# Altium PCB WX0.000.863拼板.PcbDoc (part 10 of 15)
Units mm, origin at the board's own origin, x right, y up, seen from the top; angles counter-clockwise.
Board outline 150.37 x 286.89 mm, 2 copper layers (Top Layer, Bottom Layer); 840 components, 0 nets, 2516 pads, 1604 vias.
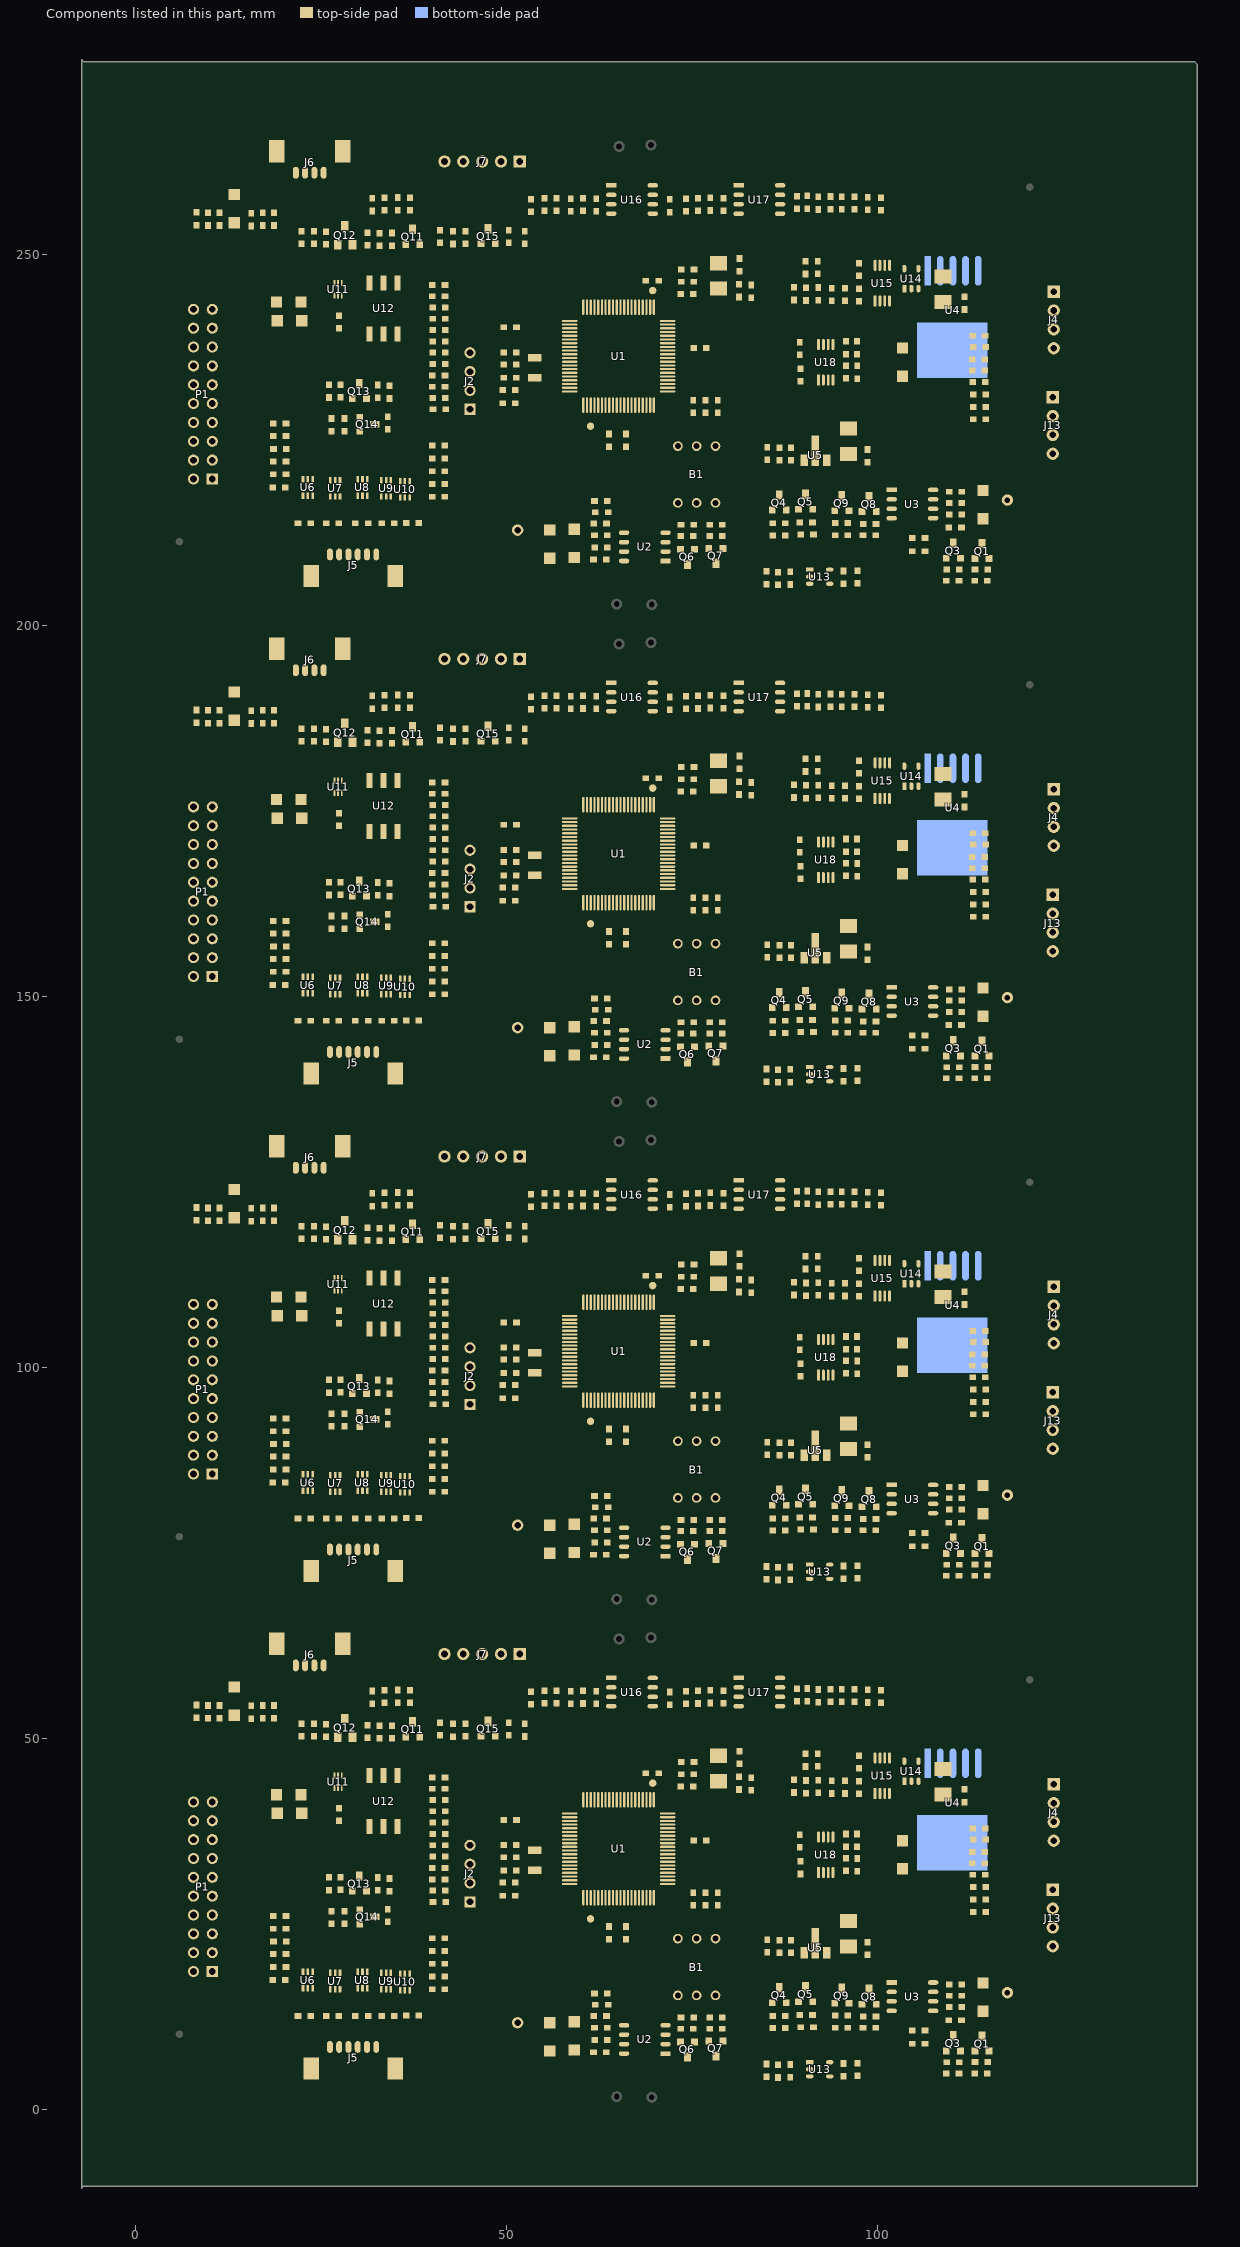
[diagram p10: the components of this part, seen from the top]

## Via types
v1: diameter 0.635, hole 0.381, Top Layer to Bottom Layer, tented both sides, 1604 vias

## Nets (pads, with @x,y where several pads share a name; then routed paths per layer and width w, separated by ;. In a path a pad name is that pad's centre, name@x,y a point inside that pad or via, vN(x,y) a via of type N, cw(c..) or ccw(c..) an arc to the next point about the centre after c; other vN are vias at no path point) (continued)
copper on no net: (continued)
  Top Layer w0.254: 112.928,164.059 108.991,164.059 108.534,164.516 108.534,170.311 108.524,170.321 108.524,172.872 108.077,173.319 89.052,173.319 84.068,173.319 83.76,173.627 76.043,173.627 75.133,174.536 72.784,174.536 71.505,175.815 70.789,175.815 ; 112.928,231.115 108.991,231.115 108.534,231.572 108.534,237.367 108.524,237.377 108.524,239.928 108.077,240.375 89.052,240.375 84.068,240.375 83.76,240.683 76.043,240.683 75.133,241.592 72.784,241.592 71.505,242.871 70.789,242.871 ; 113.106,4.826 113.106,7.773 113.157,7.823 ; 113.106,6.904 cw(c114.075,6.904) 113.39,7.59 ; 113.106,71.882 113.106,74.829 113.157,74.879 ; 113.106,73.96 cw(c114.075,73.96) 113.39,74.646 ; 113.106,138.938 113.106,141.885 113.157,141.935 ; 113.106,141.016 cw(c114.075,141.016) 113.39,141.702 ; 113.106,205.994 113.106,208.941 113.157,208.991 ; 113.106,208.072 cw(c114.075,208.072) 113.39,208.758 ; 114.266,4.284 ccw(c113.724,4.826) 114.49,4.826 ; 114.266,71.34 ccw(c113.724,71.882) 114.49,71.882 ; 114.266,138.396 ccw(c113.724,138.938) 114.49,138.938 ; 114.266,205.452 ccw(c113.724,205.994) 114.49,205.994 ; 114.389,4.407 cw(c114.757,4.038) 114.757,4.559 ; 114.389,71.463 cw(c114.757,71.094) 114.757,71.615 ; 114.389,138.519 cw(c114.757,138.15) 114.757,138.671 ; 114.389,205.575 cw(c114.757,205.206) 114.757,205.727 ; 114.404,31.409 cw(c113.581,30.586) 114.745,30.586 ; 114.404,98.465 cw(c113.581,97.642) 114.745,97.642 ; 114.404,165.521 cw(c113.581,164.698) 114.745,164.698 ; 114.404,232.577 cw(c113.581,231.754) 114.745,231.754 ; 114.478,33.147 114.96,33.147 ; 114.478,100.203 114.96,100.203 ; 114.478,167.259 114.96,167.259 ; 114.478,234.315 114.96,234.315 ; 114.492,30.135 ccw(c113.883,30.744) 114.745,30.744 ; 114.492,97.191 ccw(c113.883,97.8) 114.745,97.8 ; 114.492,164.247 ccw(c113.883,164.856) 114.745,164.856 ; 114.492,231.303 ccw(c113.883,231.912) 114.745,231.912 ; 114.529,33.16 ccw(c114.529,34.233) 115.287,33.474 ; 114.529,33.414 ccw(c114.529,35.1) 115.721,33.908 ; 114.529,100.216 ccw(c114.529,101.289) 115.287,100.53 ; 114.529,100.47 ccw(c114.529,102.156) 115.721,100.964 ; 114.529,167.272 ccw(c114.529,168.345) 115.287,167.586 ; 114.529,167.526 ccw(c114.529,169.212) 115.721,168.02 ; 114.529,234.328 ccw(c114.529,235.401) 115.287,234.642 ; 114.529,234.582 ccw(c114.529,236.268) 115.721,235.076 ; 114.583,31.589 cw(c114.194,31.199) 114.745,31.199 ; 114.583,98.645 cw(c114.194,98.255) 114.745,98.255 ; 114.583,165.701 cw(c114.194,165.311) 114.745,165.311 ; 114.583,232.757 cw(c114.194,232.367) 114.745,232.367 ; 114.745,30.162 114.745,31.813 ; 114.745,30.437 ccw(c115.171,30.437) 114.87,30.135 ; 114.745,97.218 114.745,98.869 ; 114.745,97.493 ccw(c115.171,97.493) 114.87,97.191 ; 114.745,164.274 114.745,165.925 ; 114.745,164.549 ccw(c115.171,164.549) 114.87,164.247 ; 114.745,231.33 114.745,232.981 ; 114.745,231.605 ccw(c115.171,231.605) 114.87,231.303 ; 114.767,33.028 cw(c114.96,32.931) 114.96,33.147 ; 114.767,33.266 ccw(c114.96,33.363) 114.96,33.147 ; 114.767,100.084 cw(c114.96,99.987) 114.96,100.203 ; 114.767,100.322 ccw(c114.96,100.419) 114.96,100.203 ; 114.767,167.14 cw(c114.96,167.043) 114.96,167.259 ; 114.767,167.378 ccw(c114.96,167.475) 114.96,167.259 ; 114.767,234.196 cw(c114.96,234.099) 114.96,234.315 ; 114.767,234.434 ccw(c114.96,234.531) 114.96,234.315 ; v1@118.237,5.194 ccw(c118.237,5.838) 118.692,5.383 ; v1@118.237,5.448 ccw(c118.237,6.705) 119.126,5.816 ; v1@118.237,72.25 ccw(c118.237,72.894) 118.692,72.439 ; v1@118.237,72.504 ccw(c118.237,73.761) 119.126,72.872 ; v1@118.237,139.306 ccw(c118.237,139.95) 118.692,139.495 ; v1@118.237,139.56 ccw(c118.237,140.817) 119.126,139.928 ; v1@118.237,206.362 ccw(c118.237,207.006) 118.692,206.551 ; v1@118.237,206.616 ccw(c118.237,207.873) 119.126,206.984 ; 123.266,38.202 123.774,38.71 122.453,37.389 122.453,35.744 120.954,34.244 116.058,34.244 114.96,33.147 ; 123.266,105.258 123.774,105.766 122.453,104.445 122.453,102.8 120.954,101.3 116.058,101.3 114.96,100.203 ; 123.266,172.314 123.774,172.822 122.453,171.501 122.453,169.856 120.954,168.356 116.058,168.356 114.96,167.259 ; 123.266,239.37 123.774,239.878 122.453,238.557 122.453,236.912 120.954,235.412 116.058,235.412 114.96,234.315 ; 20.752,17.399 21.102,17.049 23.876,17.049 ; 20.752,84.455 21.102,84.105 23.876,84.105 ; 20.752,151.511 21.102,151.161 23.876,151.161 ; 20.752,218.567 21.102,218.217 23.876,218.217 ; 23.876,17.049 27.584,17.049 ; 23.876,84.105 27.584,84.105 ; 23.876,151.161 27.584,151.161 ; 23.876,218.217 27.584,218.217 ; 27.584,17.049 31.267,17.049 ; 27.584,84.105 31.267,84.105 ; 27.584,151.161 31.267,151.161 ; 27.584,218.217 31.267,218.217 ; 31.267,17.049 31.699,17.049 ; 31.267,84.105 31.699,84.105 ; 31.267,151.161 31.699,151.161 ; 31.267,218.217 31.699,218.217 ; 31.699,17.049 34.392,17.049 ; 31.699,84.105 34.392,84.105 ; 31.699,151.161 34.392,151.161 ; 31.699,218.217 34.392,218.217 ; 55.423,24.826 59.03,24.826 59.868,25.664 59.868,29.667 60.249,30.048 60.503,30.048 61.14,30.686 61.14,34.417 61.521,34.798 65.354,34.798 ; 55.423,91.882 59.03,91.882 59.868,92.72 59.868,96.723 60.249,97.104 60.503,97.104 61.14,97.742 61.14,101.473 61.521,101.854 65.354,101.854 ; 55.423,158.938 59.03,158.938 59.868,159.776 59.868,163.779 60.249,164.16 60.503,164.16 61.14,164.798 61.14,168.529 61.521,168.91 65.354,168.91 ; 55.423,225.994 59.03,225.994 59.868,226.832 59.868,230.835 60.249,231.216 60.503,231.216 61.14,231.854 61.14,235.585 61.521,235.966 65.354,235.966 ; 64.059,15.596 65.131,14.524 65.694,14.524 66.528,14.524 69.748,11.303 71.45,11.303 ; 64.059,82.652 65.131,81.58 65.694,81.58 66.528,81.58 69.748,78.359 71.45,78.359 ; 64.059,149.708 65.131,148.636 65.694,148.636 66.528,148.636 69.748,145.415 71.45,145.415 ; 64.059,216.764 65.131,215.692 65.694,215.692 66.528,215.692 69.748,212.471 71.45,212.471 ; 79.934,32.401 82.194,32.401 82.859,31.735 82.859,10.151 83.764,9.246 99.872,9.246 100.761,10.135 100.761,14.224 101.066,14.529 101.93,14.529 102.692,14.529 ; 79.934,99.457 82.194,99.457 82.859,98.791 82.859,77.207 83.764,76.302 99.872,76.302 100.761,77.191 100.761,81.28 101.066,81.585 101.93,81.585 102.692,81.585 ; 79.934,166.513 82.194,166.513 82.859,165.847 82.859,144.263 83.764,143.358 99.872,143.358 100.761,144.247 100.761,148.336 101.066,148.641 101.93,148.641 102.692,148.641 ; 79.934,233.569 82.194,233.569 82.859,232.903 82.859,211.319 83.764,210.414 99.872,210.414 100.761,211.303 100.761,215.392 101.066,215.697 101.93,215.697 102.692,215.697 ; 81.559,10.135 cw(c81.75,10.135) 81.655,10.3 ccw(c81.75,10.135) 81.559,10.135 ; 81.559,10.135 ccw(c81.368,10.135) 81.464,10.3 cw(c81.368,10.135) 81.559,10.135 ; 81.559,77.191 cw(c81.75,77.191) 81.655,77.356 ccw(c81.75,77.191) 81.559,77.191 ; 81.559,77.191 ccw(c81.368,77.191) 81.464,77.356 cw(c81.368,77.191) 81.559,77.191 ; 81.559,144.247 cw(c81.75,144.247) 81.655,144.412 ccw(c81.75,144.247) 81.559,144.247 ; 81.559,144.247 ccw(c81.368,144.247) 81.464,144.412 cw(c81.368,144.247) 81.559,144.247 ; 81.559,211.303 cw(c81.75,211.303) 81.655,211.468 ccw(c81.75,211.303) 81.559,211.303 ; 81.559,211.303 ccw(c81.368,211.303) 81.464,211.468 cw(c81.368,211.303) 81.559,211.303 ; 77.47,12.636 ccw(c77.47,13.158) 77.838,12.789 cw(c77.47,13.158) 77.47,12.636 ; 77.47,79.692 ccw(c77.47,80.214) 77.838,79.845 cw(c77.47,80.214) 77.47,79.692 ; 77.47,146.749 ccw(c77.47,147.27) 77.838,146.901 cw(c77.47,147.27) 77.47,146.749 ; 77.47,213.804 ccw(c77.47,214.326) 77.838,213.957 cw(c77.47,214.326) 77.47,213.804 ; 77.736,12.37 cw(c78.503,12.37) 77.961,12.912 ccw(c78.503,12.37) 77.736,12.37 ; 77.736,79.426 cw(c78.503,79.426) 77.961,79.968 ccw(c78.503,79.426) 77.736,79.426 ; 77.736,146.482 cw(c78.503,146.482) 77.961,147.024 ccw(c78.503,146.482) 77.736,146.482 ; 77.736,213.538 cw(c78.503,213.538) 77.961,214.08 ccw(c78.503,213.538) 77.736,213.538
  Top Layer w0.305: 8.255,52.769 9.74,52.769 9.804,52.705 ; 8.255,119.825 9.74,119.825 9.804,119.761 ; 8.255,186.881 9.74,186.881 9.804,186.817 ; 8.255,253.937 9.74,253.937 9.804,253.873 ; 8.425,52.598 cw(c8.837,52.186) 8.837,52.769 cw(c8.837,53.351) 8.425,52.939 ; 8.425,119.654 cw(c8.837,119.242) 8.837,119.825 cw(c8.837,120.407) 8.425,119.995 ; 8.425,186.71 cw(c8.837,186.298) 8.837,186.881 cw(c8.837,187.463) 8.425,187.051 ; 8.425,253.766 cw(c8.837,253.354) 8.837,253.937 cw(c8.837,254.519) 8.425,254.107 ; 9.19,52.769 cw(c9.19,52.142) 9.633,52.585 ; 9.19,119.825 cw(c9.19,119.198) 9.633,119.641 ; 9.19,186.881 cw(c9.19,186.254) 9.633,186.697 ; 9.19,253.937 cw(c9.19,253.31) 9.633,253.753 ; 9.253,52.769 ccw(c9.253,53.307) 9.633,52.926 ; 9.253,119.825 ccw(c9.253,120.363) 9.633,119.982 ; 9.253,186.881 ccw(c9.253,187.419) 9.633,187.038 ; 9.253,253.937 ccw(c9.253,254.475) 9.633,254.094 ; 10.363,31.249 13.025,31.249 17.499,35.723 25.974,35.723 v1(26.314,35.382) ; 10.363,98.305 13.025,98.305 17.499,102.779 25.974,102.779 v1(26.314,102.438) ; 10.363,165.361 13.025,165.361 17.499,169.835 25.974,169.835 v1(26.314,169.494) ; 10.363,232.417 13.025,232.417 17.499,236.891 25.974,236.891 v1(26.314,236.55) ; 10.786,30.826 cw(c11.806,29.806) 11.806,31.249 cw(c11.806,32.691) 10.786,31.671 ; 10.786,97.882 cw(c11.806,96.862) 11.806,98.305 cw(c11.806,99.747) 10.786,98.727 ; 10.786,164.938 cw(c11.806,163.918) 11.806,165.361 cw(c11.806,166.803) 10.786,165.783 ; 10.786,231.994 cw(c11.806,230.974) 11.806,232.417 cw(c11.806,233.859) 10.786,232.839 ; 15.566,52.623 ccw(c15.974,52.385) 15.64,52.051 ; 15.566,119.679 ccw(c15.974,119.441) 15.64,119.107 ; 15.566,186.735 ccw(c15.974,186.497) 15.64,186.163 ; 15.566,253.791 ccw(c15.974,253.553) 15.64,253.219 ; 15.621,52.642 15.621,52.07 ; 15.621,119.698 15.621,119.126 ; 15.621,186.754 15.621,186.182 ; 15.621,253.81 15.621,253.238 ; 15.829,52.469 ccw(c16.326,52.179) 15.919,51.772 ; 15.829,119.525 ccw(c16.326,119.235) 15.919,118.828 ; 15.829,186.581 ccw(c16.326,186.291) 15.919,185.884 ; 15.829,253.637 ccw(c16.326,253.347) 15.919,252.94 ; v1@16.015,51.511 ccw(c15.616,51.511) 15.898,51.793 ccw(c16.18,52.075) v1@16.18,51.676 ; v1@16.015,118.567 ccw(c15.616,118.567) 15.898,118.849 ccw(c16.18,119.131) v1@16.18,118.732 ; v1@16.015,185.623 ccw(c15.616,185.623) 15.898,185.905 ccw(c16.18,186.187) v1@16.18,185.788 ; v1@16.015,252.679 ccw(c15.616,252.679) 15.898,252.961 ccw(c16.18,253.243) v1@16.18,252.844 ; v1(16.18,51.511) 15.621,52.07 ; v1(16.18,118.567) 15.621,119.126 ; v1(16.18,185.623) 15.621,186.182 ; v1(16.18,252.679) 15.621,253.238 ; 21.62,59.162 21.62,59.817 ; 21.62,126.218 21.62,126.873 ; 21.62,193.274 21.62,193.929 ; 21.62,260.33 21.62,260.985 ; 21.788,12.744 ccw(c21.286,13.246) 21.996,13.246 ; 21.788,79.8 ccw(c21.286,80.302) 21.996,80.302 ; 21.788,146.856 ccw(c21.286,147.358) 21.996,147.358 ; 21.788,213.912 ccw(c21.286,214.414) 21.996,214.414 ; 21.896,41.962 cw(c20.61,40.676) 22.428,40.676 ; 21.896,109.018 cw(c20.61,107.732) 22.428,107.732 ; 21.896,176.074 cw(c20.61,174.788) 22.428,174.788 ; 21.896,243.13 cw(c20.61,241.844) 22.428,241.844 ; 21.908,12.573 21.996,12.661 21.996,14.274 23.233,15.512 23.233,16.291 23.241,16.299 ; 21.908,79.629 21.996,79.717 21.996,81.33 23.233,82.568 23.233,83.347 23.241,83.355 ; 21.908,146.685 21.996,146.773 21.996,148.386 23.233,149.624 23.233,150.403 23.241,150.411 ; 21.908,213.741 21.996,213.829 21.996,215.442 23.233,216.68 23.233,217.459 23.241,217.467 ; 21.996,13.065 ccw(c22.451,13.065) 22.129,12.744 ; 21.996,80.121 ccw(c22.451,80.121) 22.129,79.8 ; 21.996,147.177 ccw(c22.451,147.177) 22.129,146.856 ; 21.996,214.233 ccw(c22.451,214.233) 22.129,213.912 ; 21.997,40.309 ccw(c20.956,41.35) 22.428,41.35 ccw(c23.9,41.35) 22.859,40.309 ; 21.997,107.365 ccw(c20.956,108.406) 22.428,108.406 ccw(c23.9,108.406) 22.859,107.365 ; 21.997,174.421 ccw(c20.956,175.462) 22.428,175.462 ccw(c23.9,175.462) 22.859,174.421 ; 21.997,241.477 ccw(c20.956,242.518) 22.428,242.518 ccw(c23.9,242.518) 22.859,241.477 ; 22.111,42.177 cw(c21.345,41.411) 22.428,41.411 ; 22.111,109.233 cw(c21.345,108.467) 22.428,108.467 ; 22.111,176.289 cw(c21.345,175.523) 22.428,175.523 ; 22.111,243.345 cw(c21.345,242.579) 22.428,242.579 ; 22.327,42.393 22.428,42.291 22.428,39.878 ; 22.327,109.449 22.428,109.347 22.428,106.934 ; 22.327,176.505 22.428,176.403 22.428,173.99 ; 22.327,243.561 22.428,243.459 22.428,241.046 ; 22.428,41.166 cw(c23.553,41.166) 22.758,41.962 ; 22.428,108.222 cw(c23.553,108.222) 22.758,109.018 ; 22.428,175.278 cw(c23.553,175.278) 22.758,176.074 ; 22.428,242.334 cw(c23.553,242.334) 22.758,243.13 ; 25.547,12.744 ccw(c25.135,13.156) 25.718,13.156 ccw(c26.3,13.156) 25.888,12.744 ; 25.547,79.8 ccw(c25.135,80.212) 25.718,80.212 ccw(c26.3,80.212) 25.888,79.8 ; 25.547,146.856 ccw(c25.135,147.268) 25.718,147.268 ccw(c26.3,147.268) 25.888,146.856 ; 25.547,213.912 ccw(c25.135,214.324) 25.718,214.324 ccw(c26.3,214.324) 25.888,213.912 ; 25.718,12.573 25.718,13.475 26.924,14.681 26.924,16.172 ; 25.718,79.629 25.718,80.531 26.924,81.737 26.924,83.228 ; 25.718,146.685 25.718,147.587 26.924,148.793 26.924,150.284 ; 25.718,213.741 25.718,214.643 26.924,215.849 26.924,217.34 ; v1@26.045,37.861 ccw(c25.763,38.143) 26.162,38.143 ccw(c26.561,38.143) v1@26.279,37.861 ; v1@26.045,104.917 ccw(c25.763,105.199) 26.162,105.199 ccw(c26.561,105.199) v1@26.279,104.917 ; v1@26.045,171.973 ccw(c25.763,172.255) 26.162,172.255 ccw(c26.561,172.255) v1@26.279,171.973 ; v1@26.045,239.029 ccw(c25.763,239.311) 26.162,239.311 ccw(c26.561,239.311) v1@26.279,239.029 ; v1(26.086,45.822) 26.187,45.822 26.492,46.126 ; v1(26.086,112.878) 26.187,112.878 26.492,113.182 ; v1(26.086,179.934) 26.187,179.934 26.492,180.238 ; v1(26.086,246.99) 26.187,246.99 26.492,247.294 ; v1@26.102,45.986 ccw(c26.148,46.471) 26.492,46.126 ; v1@26.102,113.042 ccw(c26.148,113.527) 26.492,113.182 ; v1@26.102,180.098 ccw(c26.148,180.583) 26.492,180.238 ; v1@26.102,247.154 ccw(c26.148,247.639) 26.492,247.294 ; v1@26.137,43.21 v1(26.137,43.231) ; v1@26.137,110.266 v1(26.137,110.287) ; v1@26.137,177.322 v1(26.137,177.343) ; v1@26.137,244.378 v1(26.137,244.399) ; v1@26.149,35.382 ccw(c25.751,35.382) 26.033,35.664 ccw(c26.314,35.946) v1@26.314,35.547 ; v1@26.149,102.438 ccw(c25.751,102.438) 26.033,102.72 ccw(c26.314,103.002) v1@26.314,102.603 ; v1@26.149,169.494 ccw(c25.751,169.494) 26.033,169.776 ccw(c26.314,170.058) v1@26.314,169.659 ; v1@26.149,236.55 ccw(c25.751,236.55) 26.033,236.832 ccw(c26.314,237.114) v1@26.314,236.715 ; v1(26.162,37.744) 26.162,39.472 26.492,39.802 v1(26.492,40.742) 27.267,40.742 27.457,40.551 32.321,40.551 33.452,39.421 33.452,38.081 ; v1(26.162,104.8) 26.162,106.528 26.492,106.858 v1(26.492,107.798) 27.267,107.798 27.457,107.607 32.321,107.607 33.452,106.477 33.452,105.137 ; v1(26.162,171.856) 26.162,173.584 26.492,173.914 v1(26.492,174.854) 27.267,174.854 27.457,174.663 32.321,174.663 33.452,173.533 33.452,172.193 ; v1(26.162,238.912) 26.162,240.64 26.492,240.97 v1(26.492,241.91) 27.267,241.91 27.457,241.719 32.321,241.719 33.452,240.589 33.452,239.249 ; v1@26.375,40.625 cw(c26.094,40.343) 26.492,40.343 cw(c26.891,40.343) 26.609,40.625 cw(c26.891,40.343) 26.891,40.742 cw(c26.891,41.14) v1@26.609,40.858 ; v1@26.375,107.681 cw(c26.094,107.399) 26.492,107.399 cw(c26.891,107.399) 26.609,107.681 cw(c26.891,107.399) 26.891,107.798 cw(c26.891,108.196) v1@26.609,107.914 ; v1@26.375,174.737 cw(c26.094,174.455) 26.492,174.455 cw(c26.891,174.455) 26.609,174.737 cw(c26.891,174.455) 26.891,174.854 cw(c26.891,175.252) v1@26.609,174.97 ; v1@26.375,241.793 cw(c26.094,241.511) 26.492,241.511 cw(c26.891,241.511) 26.609,241.793 cw(c26.891,241.511) 26.891,241.91 cw(c26.891,242.308) v1@26.609,242.026 ; v1@26.538,40.742 cw(c26.538,39.683) 27.286,40.432 ; v1@26.538,107.798 cw(c26.538,106.739) 27.286,107.488 ; v1@26.538,174.854 cw(c26.538,173.795) 27.286,174.544 ; v1@26.538,241.91 cw(c26.538,240.851) 27.286,241.6 ; 26.813,43.257 27.153,43.257 27.313,43.257 ; 26.813,110.313 27.153,110.313 27.313,110.313 ; 26.813,177.369 27.153,177.369 27.313,177.369 ; 26.813,244.425 27.153,244.425 27.313,244.425 ; v1(27.076,37.744) 27.457,38.125 27.457,38.85 30.783,38.85 31.552,38.081 ; v1@27.076,37.91 ccw(c27.076,38.308) 27.358,38.026 ccw(c27.64,37.744) v1@27.241,37.744 ; v1(27.076,104.8) 27.457,105.181 27.457,105.906 30.783,105.906 31.552,105.137 ; v1@27.076,104.965 ccw(c27.076,105.364) 27.358,105.082 ccw(c27.64,104.8) v1@27.241,104.8 ; v1(27.076,171.856) 27.457,172.237 27.457,172.962 30.783,172.962 31.552,172.193 ; v1@27.076,172.022 ccw(c27.076,172.42) 27.358,172.138 ccw(c27.64,171.856) v1@27.241,171.856 ; v1(27.076,238.912) 27.457,239.293 27.457,240.018 30.783,240.018 31.552,239.249 ; v1@27.076,239.077 ccw(c27.076,239.476) 27.358,239.194 ccw(c27.64,238.912) v1@27.241,238.912 ; 27.286,38.628 cw(c26.874,38.216) 27.457,38.216 cw(c28.04,38.216) 27.628,38.628 ; 27.286,105.684 cw(c26.874,105.272) 27.457,105.272 cw(c28.04,105.272) 27.628,105.684 ; 27.286,172.74 cw(c26.874,172.328) 27.457,172.328 cw(c28.04,172.328) 27.628,172.74 ; 27.286,239.796 cw(c26.874,239.384) 27.457,239.384 cw(c28.04,239.384) 27.628,239.796 ; 27.313,44.957 27.313,45.763 26.949,46.126 26.492,46.126 ; 27.313,112.013 27.313,112.819 26.949,113.182 26.492,113.182 ; 27.313,179.069 27.313,179.875 26.949,180.238 26.492,180.238 ; 27.313,246.125 27.313,246.931 26.949,247.294 26.492,247.294 ; 27.628,38.679 cw(c28.04,38.267) 28.04,38.85 cw(c28.04,39.432) 27.628,39.02 ; 27.628,40.381 cw(c28.04,39.969) 28.04,40.551 cw(c28.04,41.134) 27.628,40.722 ; 27.628,105.735 cw(c28.04,105.323) 28.04,105.906 cw(c28.04,106.488) 27.628,106.076 ; 27.628,107.437 cw(c28.04,107.025) 28.04,107.607 cw(c28.04,108.19) 27.628,107.778 ; 27.628,172.791 cw(c28.04,172.379) 28.04,172.962 cw(c28.04,173.544) 27.628,173.132 ; 27.628,174.493 cw(c28.04,174.081) 28.04,174.663 cw(c28.04,175.246) 27.628,174.834 ; 27.628,239.847 cw(c28.04,239.435) 28.04,240.018 cw(c28.04,240.6) 27.628,240.188 ; 27.628,241.549 cw(c28.04,241.137) 28.04,241.719 cw(c28.04,242.302) 27.628,241.89 ; 29.535,12.744 ccw(c28.541,13.738) 29.947,13.738 ; 29.535,79.8 ccw(c28.541,80.794) 29.947,80.794 ; 29.535,146.856 ccw(c28.541,147.85) 29.947,147.85 ; 29.535,213.912 ccw(c28.541,214.906) 29.947,214.906 ; 29.655,12.573 29.947,12.865 29.947,14.021 30.607,14.681 30.607,16.299 ; 29.655,79.629 29.947,79.921 29.947,81.077 30.607,81.737 30.607,83.355 ; 29.655,146.685 29.947,146.977 29.947,148.133 30.607,148.793 30.607,150.411 ; 29.655,213.741 29.947,214.033 29.947,215.189 30.607,215.849 30.607,217.467 ; 29.75,12.528 ccw(c29.277,13.002) 29.947,13.002 ; 29.75,79.584 ccw(c29.277,80.058) 29.947,80.058 ; 29.75,146.64 ccw(c29.277,147.114) 29.947,147.114 ; 29.75,213.696 ccw(c29.277,214.17) 29.947,214.17 ; 33.277,38.856 ccw(c32.854,39.279) 33.452,39.279 ccw(c34.05,39.279) 33.627,38.856 ; 33.277,105.912 ccw(c32.854,106.335) 33.452,106.335 ccw(c34.05,106.335) 33.627,105.912 ; 33.277,172.968 ccw(c32.854,173.391) 33.452,173.391 ccw(c34.05,173.391) 33.627,172.968 ; 33.277,240.024 ccw(c32.854,240.447) 33.452,240.447 ccw(c34.05,240.447) 33.627,240.024 ; 36.322,16.045 36.322,15.228 36.571,14.979 36.571,12.695 36.5,12.624 36.33,12.454 ; 36.322,83.101 36.322,82.284 36.571,82.035 36.571,79.751 36.5,79.68 36.33,79.51 ; 36.322,150.157 36.322,149.34 36.571,149.091 36.571,146.807 36.5,146.736 36.33,146.566 ; 36.322,217.213 36.322,216.396 36.571,216.147 36.571,213.863 36.5,213.792 36.33,213.622 ; 36.38,12.794 ccw(c35.919,13.255) 36.571,13.255 ; 36.38,79.85 ccw(c35.919,80.311) 36.571,80.311 ; 36.38,146.906 ccw(c35.919,147.367) 36.571,147.367 ; 36.38,213.962 ccw(c35.919,214.423) 36.571,214.423 ; 36.571,13.157 ccw(c37.084,13.157) 36.721,12.794 ; 36.571,80.213 ccw(c37.084,80.213) 36.721,79.85 ; 36.571,147.269 ccw(c37.084,147.269) 36.721,146.906 ; 36.571,214.325 ccw(c37.084,214.325) 36.721,213.962 ; 40.025,32.512 40.393,32.512 41.137,33.256 42.316,33.256 42.371,33.202 44.552,35.382 45.263,35.382 ; 40.025,99.568 40.393,99.568 41.137,100.312 42.316,100.312 42.371,100.258 44.552,102.438 45.263,102.438 ; 40.025,166.624 40.393,166.624 41.137,167.368 42.316,167.368 42.371,167.314 44.552,169.494 45.263,169.494 ; 40.025,233.68 40.393,233.68 41.137,234.424 42.316,234.424 42.371,234.37 44.552,236.55 45.263,236.55 ; 40.076,32.43 ccw(c40.076,32.998) 40.477,32.596 ; 40.076,32.735 ccw(c40.076,34.038) 40.997,33.117 ; 40.076,99.486 ccw(c40.076,100.054) 40.477,99.652 ; 40.076,99.791 ccw(c40.076,101.094) 40.997,100.173 ; 40.076,166.542 ccw(c40.076,167.11) 40.477,166.708 ; 40.076,166.847 ccw(c40.076,168.15) 40.997,167.229 ; 40.076,233.598 ccw(c40.076,234.166) 40.477,233.764 ; 40.076,233.903 ccw(c40.076,235.206) 40.997,234.285 ; 40.11,27.94 40.11,27.733 40.706,27.137 42.581,27.137 v1(43.256,27.813) ; 40.11,94.996 40.11,94.789 40.706,94.193 42.581,94.193 v1(43.256,94.869) ; 40.11,162.052 40.11,161.845 40.706,161.249 42.581,161.249 v1(43.256,161.925) ; 40.11,229.108 40.11,228.901 40.706,228.305 42.581,228.305 v1(43.256,228.981) ; 40.392,27.891 ccw(c41.069,27.752) 40.58,27.263 ; 40.392,94.947 ccw(c41.069,94.808) 40.58,94.319 ; 40.392,162.003 ccw(c41.069,161.864) 40.58,161.375 ; 40.392,229.059 ccw(c41.069,228.92) 40.58,228.431 ; v1@43.091,27.813 cw(c42.693,27.813) 42.974,27.531 cw(c43.256,27.249) v1@43.256,27.648 ; v1@43.091,94.869 cw(c42.693,94.869) 42.974,94.587 cw(c43.256,94.305) v1@43.256,94.704 ; v1@43.091,161.925 cw(c42.693,161.925) 42.974,161.643 cw(c43.256,161.361) v1@43.256,161.76 ; v1@43.091,228.981 cw(c42.693,228.981) 42.974,228.699 cw(c43.256,228.417) v1@43.256,228.816 ; 43.458,34.288 cw(c45.085,32.661) 45.085,34.962 ; 43.458,101.344 cw(c45.085,99.717) 45.085,102.018 ; 43.458,168.4 cw(c45.085,166.773) 45.085,169.074 ; 43.458,235.456 cw(c45.085,233.829) 45.085,236.13 ; 43.978,34.809 cw(c45.085,33.702) 45.085,35.267 ; 43.978,101.865 cw(c45.085,100.758) 45.085,102.323 ; 43.978,168.921 cw(c45.085,167.814) 45.085,169.379 ; 43.978,235.977 cw(c45.085,234.87) 45.085,236.435 ; 44.316,35.147 ccw(c43.903,35.56) 44.487,35.56 ; 44.316,102.203 ccw(c43.903,102.616) 44.487,102.616 ; 44.316,169.259 ccw(c43.903,169.672) 44.487,169.672 ; 44.316,236.315 ccw(c43.903,236.728) 44.487,236.728 ; 73.533,12.37 74.422,13.259 76.073,13.259 76.327,13.005 76.327,7.798 76.962,7.163 78.246,7.163 ; 73.533,79.426 74.422,80.315 76.073,80.315 76.327,80.061 76.327,74.854 76.962,74.219 78.246,74.219 ; 73.533,146.482 74.422,147.371 76.073,147.371 76.327,147.117 76.327,141.91 76.962,141.275 78.246,141.275 ; 73.533,213.538 74.422,214.427 76.073,214.427 76.327,214.173 76.327,208.966 76.962,208.331 78.246,208.331 ; 73.583,12.611 ccw(c73.583,13.071) 73.909,12.746 ; 73.583,79.667 ccw(c73.583,80.127) 73.909,79.802 ; 73.583,146.723 ccw(c73.583,147.183) 73.909,146.858 ; 73.583,213.779 ccw(c73.583,214.239) 73.909,213.914 ; 73.825,12.37 cw(c74.53,12.37) 74.031,12.868 ; 73.825,79.426 cw(c74.53,79.426) 74.031,79.924 ; 73.825,146.482 cw(c74.53,146.482) 74.031,146.98 ; 73.825,213.538 cw(c74.53,213.538) 74.031,214.036 ; 77.065,9.41 ccw(c76.212,10.263) 77.419,10.263 ; 77.065,76.466 ccw(c76.212,77.319) 77.419,77.319 ; 77.065,143.522 ccw(c76.212,144.375) 77.419,144.375 ; 77.065,210.578 ccw(c76.212,211.431) 77.419,211.431 ; 77.248,10.675 cw(c76.836,10.263) 77.419,10.263 ; 77.248,77.731 cw(c76.836,77.319) 77.419,77.319 ; 77.248,144.787 cw(c76.836,144.375) 77.419,144.375 ; 77.248,211.843 cw(c76.836,211.431) 77.419,211.431 ; 77.281,8.89 cw(c77.281,8.154) 77.801,8.674 cw(c78.322,9.195) 77.586,9.195 ; 77.281,75.946 cw(c77.281,75.21) 77.801,75.73 cw(c78.322,76.251) 77.586,76.251 ; 77.281,143.002 cw(c77.281,142.266) 77.801,142.786 cw(c78.322,143.307) 77.586,143.307 ; 77.281,210.058 cw(c77.281,209.322) 77.801,209.842 cw(c78.322,210.363) 77.586,210.363 ; 77.419,10.846 77.419,9.333 77.281,9.195 78.094,8.382 v1@78.105,8.382 ; 77.419,77.902 77.419,76.389 77.281,76.251 78.094,75.438 v1@78.105,75.438 ; 77.419,144.958 77.419,143.445 77.281,143.307 78.094,142.494 v1@78.105,142.494 ; 77.419,212.014 77.419,210.501 77.281,210.363 78.094,209.55 v1@78.105,209.55 ; 77.589,10.675 ccw(c78.001,10.263) 77.419,10.263 ; 77.589,77.731 ccw(c78.001,77.319) 77.419,77.319 ; 77.589,144.787 ccw(c78.001,144.375) 77.419,144.375 ; 77.589,211.843 ccw(c78.001,211.431) 77.419,211.431 ; 77.616,8.86 ccw(c78.003,9.247) v1@78.003,8.7 ; 77.616,75.916 ccw(c78.003,76.303) v1@78.003,75.755 ; 77.616,142.972 ccw(c78.003,143.359) v1@78.003,142.811 ; 77.616,210.028 ccw(c78.003,210.415) v1@78.003,209.867 ; 78.031,6.947 ccw(c77.51,6.427) 77.51,7.163 ccw(c77.51,7.899) 78.031,7.378 ; 78.031,74.003 ccw(c77.51,73.483) 77.51,74.219 ccw(c77.51,74.955) 78.031,74.434 ; 78.031,141.059 ccw(c77.51,140.539) 77.51,141.275 ccw(c77.51,142.011) 78.031,141.49 ; 78.031,208.115 ccw(c77.51,207.595) 77.51,208.331 ccw(c77.51,209.067) 78.031,208.546 ; v1@85.166,19.812 v1(85.191,19.787) ; v1@85.166,86.868 v1(85.191,86.843) ; v1@85.166,153.924 v1(85.191,153.899) ; v1@85.166,220.98 v1(85.191,220.955) ; v1@85.191,19.914 v1(85.191,19.787) ; v1@85.191,86.97 v1(85.191,86.843) ; v1@85.191,154.026 v1(85.191,153.899) ; v1@85.191,221.082 v1(85.191,220.955) ; v1@85.308,19.903 ccw(c85.712,20.308) 85.712,19.736 ; v1@85.308,86.959 ccw(c85.712,87.364) 85.712,86.792 ; v1@85.308,154.015 ccw(c85.712,154.42) 85.712,153.848 ; v1@85.308,221.071 ccw(c85.712,221.476) 85.712,220.904 ; 86.665,19.736 85.242,19.736 v1(85.191,19.787) ; 86.665,86.792 85.242,86.792 v1(85.191,86.843) ; 86.665,153.848 85.242,153.848 v1(85.191,153.899) ; 86.665,220.904 85.242,220.904 v1(85.191,220.955) ; v1@88.189,55.562 cw(c88.189,55.164) 88.471,55.446 cw(c88.752,55.728) v1@88.354,55.728 ; v1(88.189,55.728) 88.951,54.965 89.154,54.965 ; v1@88.189,122.618 cw(c88.189,122.22) 88.471,122.502 cw(c88.752,122.784) v1@88.354,122.784 ; v1(88.189,122.784) 88.951,122.021 89.154,122.021 ; v1@88.189,189.674 cw(c88.189,189.276) 88.471,189.558 cw(c88.752,189.84) v1@88.354,189.84 ; v1(88.189,189.84) 88.951,189.077 89.154,189.077 ; v1@88.189,256.731 cw(c88.189,256.332) 88.471,256.614 cw(c88.752,256.896) v1@88.354,256.896 ; v1(88.189,256.896) 88.951,256.133 89.154,256.133 ; v1@88.316,55.601 ccw(c89.145,56.43) 89.152,55.257 ; v1@88.316,122.657 ccw(c89.145,123.486) 89.152,122.313 ; v1@88.316,189.713 ccw(c89.145,190.542) 89.152,189.369 ; v1@88.316,256.769 ccw(c89.145,257.598) 89.152,256.425 ; 90.373,42.596 91.973,42.596 92.024,42.647 ; 90.373,109.652 91.973,109.652 92.024,109.703 ; 90.373,176.708 91.973,176.708 92.024,176.759 ; 90.373,243.764 91.973,243.764 92.024,243.815 ; 90.544,42.425 cw(c90.956,42.013) 90.956,42.596 cw(c90.956,43.178) 90.544,42.766 ; 90.544,109.481 cw(c90.956,109.069) 90.956,109.652 cw(c90.956,110.234) 90.544,109.822 ; 90.544,176.537 cw(c90.956,176.125) 90.956,176.708 cw(c90.956,177.29) 90.544,176.878 ; 90.544,243.593 cw(c90.956,243.181) 90.956,243.764 cw(c90.956,244.346) 90.544,243.934 ; 91.854,42.425 ccw(c91.442,42.013) 91.442,42.596 ccw(c91.442,43.178) 91.854,42.766 ; 91.854,109.481 ccw(c91.442,109.069) 91.442,109.652 ccw(c91.442,110.234) 91.854,109.822 ; 91.854,176.537 ccw(c91.442,176.125) 91.442,176.708 ccw(c91.442,177.29) 91.854,176.878 ; 91.854,243.593 ccw(c91.442,243.181) 91.442,243.764 ccw(c91.442,244.346) 91.854,243.934 ; 92.042,42.664 92.024,42.647 ; 92.042,109.72 92.024,109.703 ; 92.042,176.776 92.024,176.759 ; 92.042,243.832 92.024,243.815 ; 92.195,42.476 cw(c92.607,42.064) 92.607,42.647 cw(c92.607,43.229) 92.195,42.817 ; 92.195,109.532 cw(c92.607,109.12) 92.607,109.703 cw(c92.607,110.285) 92.195,109.873 ; 92.195,176.588 cw(c92.607,176.176) 92.607,176.759 cw(c92.607,177.341) 92.195,176.929 ; 92.195,243.644 cw(c92.607,243.232) 92.607,243.815 cw(c92.607,244.397) 92.195,243.985 ; 93.148,42.647 cw(c93.148,41.891) 93.682,42.425 ; 93.148,109.703 cw(c93.148,108.947) 93.682,109.481 ; 93.148,176.759 cw(c93.148,176.003) 93.682,176.537 ; 93.148,243.815 cw(c93.148,243.059) 93.682,243.593 ; 93.393,42.647 ccw(c93.393,43.056) 93.682,42.766 ; 93.393,109.703 ccw(c93.393,110.112) 93.682,109.822 ; 93.393,176.759 ccw(c93.393,177.168) 93.682,176.878 ; 93.393,243.815 ccw(c93.393,244.224) 93.682,243.934 ; 93.853,42.545 93.751,42.647 92.913,42.647 92.024,42.647 ; 93.853,109.601 93.751,109.703 92.913,109.703 92.024,109.703 ; 93.853,176.657 93.751,176.759 92.913,176.759 92.024,176.759 ; 93.853,243.713 93.751,243.815 92.913,243.815 92.024,243.815 ; v1(96.495,45.847) 96.444,45.847 96.532,45.936 97.536,45.936 ; v1(96.495,112.903) 96.444,112.903 96.532,112.992 97.536,112.992 ; v1(96.495,179.959) 96.444,179.959 96.532,180.048 97.536,180.048 ; v1(96.495,247.015) 96.444,247.015 96.532,247.104 97.536,247.104 ; v1@96.611,45.73 cw(c97.107,45.234) 97.107,45.936 ; v1@96.611,112.786 cw(c97.107,112.29) 97.107,112.992 ; v1@96.611,179.842 cw(c97.107,179.346) 97.107,180.048 ; v1@96.611,246.898 cw(c97.107,246.402) 97.107,247.104 ; 97.365,45.765 ccw(c96.953,45.353) 96.953,45.936 ccw(c96.953,46.518) 97.365,46.106 ; 97.365,112.821 ccw(c96.953,112.409) 96.953,112.992 ccw(c96.953,113.574) 97.365,113.162 ; 97.365,179.877 ccw(c96.953,179.465) 96.953,180.048 ccw(c96.953,180.63) 97.365,180.218 ; 97.365,246.933 ccw(c96.953,246.521) 96.953,247.104 ccw(c96.953,247.686) 97.365,247.274 ; v1(98.857,42.469) 98.857,42.494 98.908,42.545 99.695,42.545 ; v1(98.857,109.525) 98.857,109.55 98.908,109.601 99.695,109.601 ; v1(98.857,176.581) 98.857,176.606 98.908,176.657 99.695,176.657 ; v1(98.857,243.637) 98.857,243.662 98.908,243.713 99.695,243.713 ; v1@98.974,42.352 cw(c99.439,41.886) 99.439,42.545 ; v1@98.974,109.408 cw(c99.439,108.942) 99.439,109.601 ; v1@98.974,176.464 cw(c99.439,175.998) 99.439,176.657 ; v1@98.974,243.52 cw(c99.439,243.054) 99.439,243.713 ; 101.645,42.545 101.645,44.038 102.667,45.06 104.191,45.06 v1(104.445,45.314) ; 101.645,109.601 101.645,111.094 102.667,112.116 104.191,112.116 v1(104.445,112.37) ; 101.645,176.657 101.645,178.15 102.667,179.172 104.191,179.172 v1(104.445,179.426) ; 101.645,243.713 101.645,245.206 102.667,246.228 104.191,246.228 v1(104.445,246.482) ; 103.433,45.06 ccw(c103.433,46.325) v1@104.328,45.43 ; 103.433,112.116 ccw(c103.433,113.381) v1@104.328,112.486 ; 103.433,179.172 ccw(c103.433,180.437) v1@104.328,179.542 ; 103.433,246.228 ccw(c103.433,247.493) v1@104.328,246.598 ; 104.169,45.06 ccw(c104.169,45.59) v1@104.544,45.215 ; 104.169,112.116 ccw(c104.169,112.646) v1@104.544,112.271 ; 104.169,179.172 ccw(c104.169,179.702) v1@104.544,179.327 ; 104.169,246.228 ccw(c104.169,246.758) v1@104.544,246.383 ; 105.35,47.117 cw(c105.737,47.125) 105.463,47.399 ; 105.35,114.173 cw(c105.737,114.181) 105.463,114.455 ; 105.35,181.229 cw(c105.737,181.237) 105.463,181.511 ; 105.35,248.285 cw(c105.737,248.293) 105.463,248.567 ; 105.445,47.208 ccw(c105.236,47.417) 105.532,47.417 ccw(c105.828,47.417) 105.619,47.208 ; 105.445,114.264 ccw(c105.236,114.473) 105.532,114.473 ccw(c105.828,114.473) 105.619,114.264 ; 105.445,181.32 ccw(c105.236,181.529) 105.532,181.529 ccw(c105.828,181.529) 105.619,181.32 ; 105.445,248.376 ccw(c105.236,248.585) 105.532,248.585 ccw(c105.828,248.585) 105.619,248.376 ; 105.532,46.896 105.532,47.468 105.969,47.904 ; 105.532,113.952 105.532,114.524 105.969,114.96 ; 105.532,181.008 105.532,181.58 105.969,182.016 ; 105.532,248.064 105.532,248.636 105.969,249.072 ; 105.655,47.123 cw(c106.728,47.145) 105.969,47.904 ; 105.655,114.179 cw(c106.728,114.201) 105.969,114.96 ; 105.655,181.235 cw(c106.728,181.257) 105.969,182.016 ; 105.655,248.291 cw(c106.728,248.313) 105.969,249.072 ; 109.08,7.633 cw(c108.437,6.99) 109.347,6.99 ; 109.08,74.689 cw(c108.437,74.046) 109.347,74.046 ; 109.08,141.745 cw(c108.437,141.102) 109.347,141.102 ; 109.08,208.801 cw(c108.437,208.158) 109.347,208.158 ; 109.176,6.495 ccw(c108.764,6.907) 109.347,6.907 ccw(c109.929,6.907) 109.517,6.495 ; 109.176,73.551 ccw(c108.764,73.963) 109.347,73.963 ccw(c109.929,73.963) 109.517,73.551 ; 109.176,140.607 ccw(c108.764,141.019) 109.347,141.019 ccw(c109.929,141.019) 109.517,140.607 ; 109.176,207.663 ccw(c108.764,208.075) 109.347,208.075 ccw(c109.929,208.075) 109.517,207.663 ; 109.296,7.849 109.347,7.798 109.347,6.325 110.845,4.826 110.998,4.826 ; 109.296,74.905 109.347,74.854 109.347,73.381 110.845,71.882 110.998,71.882 ; 109.296,141.961 109.347,141.91 109.347,140.437 110.845,138.938 110.998,138.938 ; 109.296,209.017 109.347,208.966 109.347,207.493 110.845,205.994 110.998,205.994 ; 109.347,7.235 cw(c109.909,7.235) 109.511,7.633 ; 109.347,74.291 cw(c109.909,74.291) 109.511,74.689 ; 109.347,141.347 cw(c109.909,141.347) 109.511,141.745 ; 109.347,208.403 cw(c109.909,208.403) 109.511,208.801 ; 109.397,6.083 cw(c109.397,5.623) 109.723,5.949 ; 109.397,73.139 cw(c109.397,72.679) 109.723,73.005 ; 109.397,140.195 cw(c109.397,139.735) 109.723,140.061 ; 109.397,207.251 cw(c109.397,206.791) 109.723,207.117 ; 109.639,6.325 ccw(c110.344,6.325) 109.845,5.826 ; 109.639,73.381 ccw(c110.344,73.381) 109.845,72.882 ; 109.639,140.437 ccw(c110.344,140.437) 109.845,139.938 ; 109.639,207.493 ccw(c110.344,207.493) 109.845,206.994 ; 110.361,5.31 ccw(c110.947,5.896) 110.947,5.067 ; 110.361,72.366 ccw(c110.947,72.952) 110.947,72.123 ; 110.361,139.422 ccw(c110.947,140.008) 110.947,139.179 ; 110.361,206.478 ccw(c110.947,207.064) 110.947,206.235 ; 110.607,5.064 cw(c110.37,4.826) 110.706,4.826 ; 110.607,72.12 cw(c110.37,71.882) 110.706,71.882 ; 110.607,139.176 cw(c110.37,138.938) 110.706,138.938 ; 110.607,206.232 cw(c110.37,205.994) 110.706,205.994 ; 110.878,6.495 ccw(c110.466,6.907) 111.048,6.907 ccw(c111.631,6.907) 111.219,6.495 ; 110.878,73.551 ccw(c110.466,73.963) 111.048,73.963 ccw(c111.631,73.963) 111.219,73.551 ; 110.878,140.607 ccw(c110.466,141.019) 111.048,141.019 ccw(c111.631,141.019) 111.219,140.607 ; 110.878,207.663 ccw(c110.466,208.075) 111.048,208.075 ccw(c111.631,208.075) 111.219,207.663 ; 110.985,8.064 ccw(c110.465,8.584) 111.201,8.584 ccw(c111.937,8.584) 111.416,8.064 ; 110.985,75.12 ccw(c110.465,75.64) 111.201,75.64 ccw(c111.937,75.64) 111.416,75.12 ; 110.985,142.176 ccw(c110.465,142.696) 111.201,142.696 ccw(c111.937,142.696) 111.416,142.176 ; 110.985,209.232 ccw(c110.465,209.752) 111.201,209.752 ccw(c111.937,209.752) 111.416,209.232 ; 111.048,6.325 111.048,7.696 111.201,7.849 111.201,8.636 111.354,8.788 v1(111.354,9.042) ; 111.048,6.745 cw(c112.305,6.745) 111.416,7.633 ; 111.048,73.381 111.048,74.752 111.201,74.905 111.201,75.692 111.354,75.844 v1(111.354,76.098) ; 111.048,73.801 cw(c112.305,73.801) 111.416,74.689 ; 111.048,140.437 111.048,141.808 111.201,141.961 111.201,142.748 111.354,142.9 v1(111.354,143.154) ; 111.048,140.857 cw(c112.305,140.857) 111.416,141.745 ; 111.048,207.493 111.048,208.864 111.201,209.017 111.201,209.804 111.354,209.956 v1(111.354,210.21) ; 111.048,207.913 cw(c112.305,207.913) 111.416,208.801 ; 111.201,8.275 cw(c112.121,8.275) v1@111.47,8.926 ; 111.201,8.608 cw(c111.492,8.608) v1@111.404,8.885 ; 111.201,75.331 cw(c112.121,75.331) v1@111.47,75.982 ; 111.201,75.664 cw(c111.492,75.664) v1@111.404,75.941 ; 111.201,142.387 cw(c112.121,142.387) v1@111.47,143.038 ; 111.201,142.72 cw(c111.492,142.72) v1@111.404,142.997 ; 111.201,209.443 cw(c112.121,209.443) v1@111.47,210.094 ; 111.201,209.776 cw(c111.492,209.776) v1@111.404,210.053 ; 114.19,47.904 ccw(c114.19,48.65) v1@114.717,48.123 ; 114.19,114.96 ccw(c114.19,115.706) v1@114.717,115.179 ; 114.19,182.016 ccw(c114.19,182.762) v1@114.717,182.235 ; 114.19,249.072 ccw(c114.19,249.818) v1@114.717,249.291 ; v1(114.833,48.006) 114.732,47.904 105.969,47.904 ; v1(114.833,115.062) 114.732,114.96 105.969,114.96 ; v1(114.833,182.118) 114.732,182.016 105.969,182.016 ; v1(114.833,249.174) 114.732,249.072 105.969,249.072 ; 15.621,52.07 cw(c16.063,52.07) 15.777,52.407 ccw(c16.063,52.07) 15.621,52.07 ; 15.621,52.07 ccw(c15.179,52.07) 15.465,52.407 cw(c15.179,52.07) 15.621,52.07 ; 15.621,119.126 cw(c16.063,119.126) 15.777,119.463 ccw(c16.063,119.126) 15.621,119.126 ; 15.621,119.126 ccw(c15.179,119.126) 15.465,119.463 cw(c15.179,119.126) 15.621,119.126 ; 15.621,186.182 cw(c16.063,186.182) 15.777,186.519 ccw(c16.063,186.182) 15.621,186.182 ; 15.621,186.182 ccw(c15.179,186.182) 15.465,186.519 cw(c15.179,186.182) 15.621,186.182 ; 15.621,253.238 cw(c16.063,253.238) 15.777,253.575 ccw(c16.063,253.238) 15.621,253.238 ; 15.621,253.238 ccw(c15.179,253.238) 15.465,253.575 cw(c15.179,253.238) 15.621,253.238
  Top Layer w0.381: 84.279,15.697 84.279,16.002 ; 84.279,82.753 84.279,83.058 ; 84.279,149.809 84.279,150.114 ; 84.279,216.865 84.279,217.17 ; 84.732,22.389 cw(c85.166,21.955) 85.166,22.568 ; 84.732,89.445 cw(c85.166,89.011) 85.166,89.624 ; 84.732,156.501 cw(c85.166,156.067) 85.166,156.68 ; 84.732,223.557 cw(c85.166,223.123) 85.166,223.736 ; 84.855,22.511 ccw(c84.595,22.771) 84.963,22.771 ; 84.855,89.567 ccw(c84.595,89.827) 84.963,89.827 ; 84.855,156.623 ccw(c84.595,156.883) 84.963,156.883 ; 84.855,223.679 ccw(c84.595,223.939) 84.963,223.939 ; 85.166,22.822 84.279,21.936 84.279,16.002 ; 85.166,89.878 84.279,88.992 84.279,83.058 ; 85.166,156.934 84.279,156.048 84.279,150.114 ; 85.166,223.99 84.279,223.104 84.279,217.17 ; v1(89.662,6.147) 89.662,5.403 90.64,4.425 90.881,4.425 ; 89.662,31.699 91.897,31.699 92.075,31.877 ; v1(89.662,73.203) 89.662,72.459 90.64,71.481 90.881,71.481 ; 89.662,98.755 91.897,98.755 92.075,98.933 ; v1(89.662,140.259) 89.662,139.515 90.64,138.537 90.881,138.537 ; 89.662,165.811 91.897,165.811 92.075,165.989 ; v1(89.662,207.315) 89.662,206.571 90.64,205.593 90.881,205.593 ; 89.662,232.867 91.897,232.867 92.075,233.045 ; v1@89.752,6.057 cw(c90.398,5.411) 90.398,6.325 ; v1@89.752,73.113 cw(c90.398,72.467) 90.398,73.381 ; v1@89.752,140.169 cw(c90.398,139.523) 90.398,140.437 ; v1@89.752,207.225 cw(c90.398,206.579) 90.398,207.493 ; 89.806,31.556 cw(c90.153,31.209) 90.153,31.699 cw(c90.153,32.19) 89.806,31.843 ; 89.806,98.612 cw(c90.153,98.265) 90.153,98.755 cw(c90.153,99.246) 89.806,98.899 ; 89.806,165.668 cw(c90.153,165.321) 90.153,165.811 cw(c90.153,166.302) 89.806,165.955 ; 89.806,232.724 cw(c90.153,232.377) 90.153,232.867 cw(c90.153,233.358) 89.806,233.011 ; v1@89.84,6.325 90.881,6.325 ; v1@89.84,73.381 90.881,73.381 ; v1@89.84,140.437 90.881,140.437 ; v1@89.84,207.493 90.881,207.493 ; 91.635,31.699 ccw(c91.635,32.317) 92.072,31.88 ; 91.635,98.755 ccw(c91.635,99.373) 92.072,98.936 ; 91.635,165.811 ccw(c91.635,166.429) 92.072,165.992 ; 91.635,232.867 ccw(c91.635,233.485) 92.072,233.048 ; 84.279,16.002 84.279,11.809 84.811,11.278 v1(84.811,10.363) v1@84.811,10.338 ; 84.279,83.058 84.279,78.865 84.811,78.334 v1(84.811,77.419) v1@84.811,77.394 ; 84.279,150.114 84.279,145.921 84.811,145.39 v1(84.811,144.475) v1@84.811,144.45 ; 84.279,217.17 84.279,212.977 84.811,212.446 v1(84.811,211.531) v1@84.811,211.506 ; v1@84.811,10.338 84.76,10.287 84.76,10.262 84.811,10.312 v1@84.811,10.338 ; v1@84.811,77.394 84.76,77.343 84.76,77.318 84.811,77.368 v1@84.811,77.394 ; v1@84.811,144.45 84.76,144.399 84.76,144.374 84.811,144.424 v1@84.811,144.45 ; v1@84.811,211.506 84.76,211.455 84.76,211.43 84.811,211.48 v1@84.811,211.506